# Altium PCB carrier_pcb.PcbDoc (part 3 of 3)
Units mm, origin at the board's own origin, x right, y up, seen from the top; angles counter-clockwise.
Board outline 87.63 x 93.34 mm, 6 copper layers (Top, GND-1, Layer 1, Layer 2, GND-2, Bottom), stack 1.536 mm thick; 197 components, 115 nets, 788 pads, 714 vias.
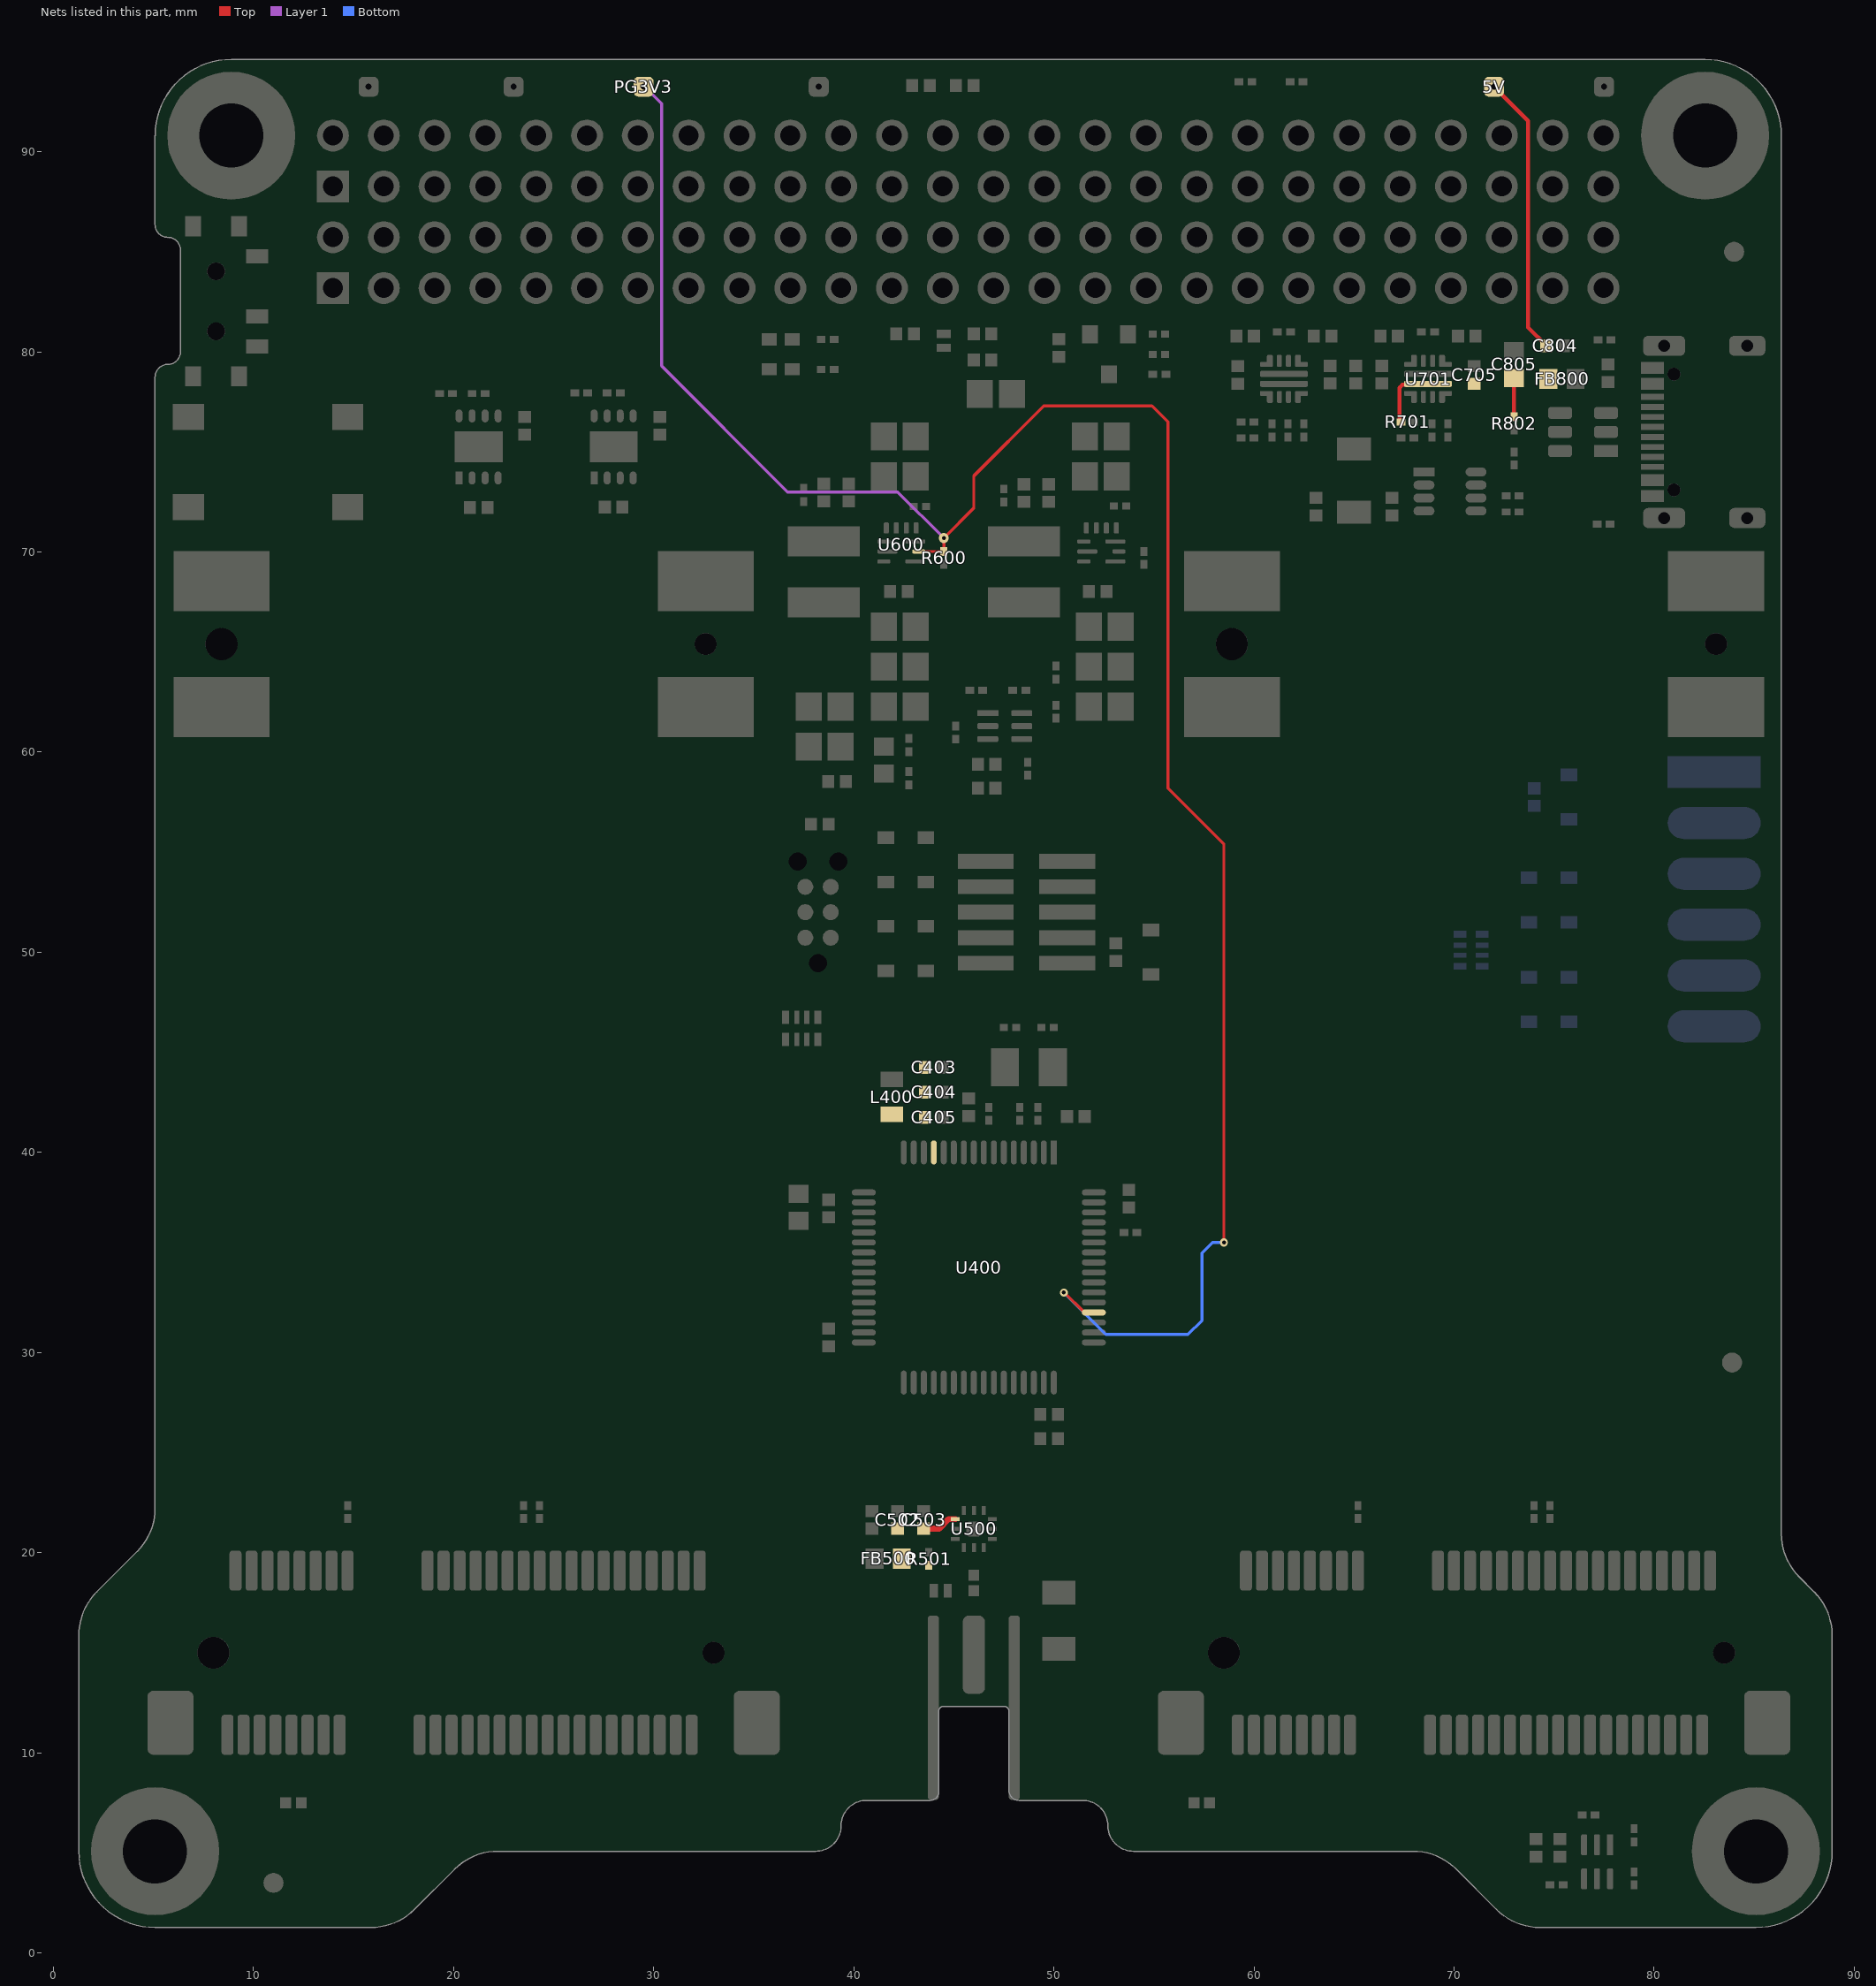
[diagram p7: the nets of this part, all layers, seen from the top]

## Via types
v1: diameter 0.4/0.5/0.5/0.4 (per signal layer), hole 0.2, Top to Bottom, 397 vias
v2: diameter 0.6/0.7/0.7/0.6 (per signal layer), hole 0.3, Top to Bottom, 317 vias

## Nets (pads, with @x,y where several pads share a name; then routed paths per layer and width w, separated by ;. In a path a pad name is that pad's centre, name@x,y a point inside that pad or via, vN(x,y) a via of type N, cw(c..) or ccw(c..) an arc to the next point about the centre after c; other vN are vias at no path point) (continued)
VCC_5V_USB: 5V.0 C705.2 C804.2 C805.2 FB800.2 R701.2 R802.2 U701.5 | length 19.2
  Top w0.2: R701.2@67.35,76.5 67.275,76.575 67.275,78.208 67.418,78.351 68.651,78.351 U701.5@68.7,78.4 ; 5V.0@72,93.25 73.7,91.55 73.7,81.22 74.6,80.32 C804.2@74.6,80.3 ; R802.2@73,76.75 C805.2@73,78.7
VCC_PGOOD: PG3V3.0 R600.1 U400.52 U600.5 | length 106
  Top w0.15: U600.5@43.25,70.025 R600.1@44.5,70.025 v1(44.5,70.7) 46,72.2 46,73.8 49.5,77.3 54.9,77.3 55.7,76.5 55.7,58.2 58.5,55.4 v1(58.5,35.5) ; v1(50.5,33) 50.525,33 51.525,32 U400.52@52,32
  Layer 1 w0.15: PG3V3.0@29.5,93.25 29.55,93.25 30.4,92.4 30.4,79.3 36.7,73 42.2,73 v1(44.5,70.7)
  Bottom w0.15: v1(50.5,33) 52.6,30.9 56.7,30.9 57.4,31.6 57.4,34.966 57.934,35.5 v1(58.5,35.5)
VCC_RFSW_3V3: C502.2 C503.2 FB500.2 R501.2 U500.1 | length 1.8
  Top w0.3: C503.2@43.5,21.2 44.27,21.2 44.75,21.68 U500.1@45.07,21.68
VDDA_3V3: C403.2 C404.2 C405.2 L400.2 U400.13
pads on no net: CN200.2 CN200.4 CN200.5 CN200.6 CN200.7 CN200.8 CN200.9 CN200.10 CN200.11 CN200.12 CN200.13 CN200.14 CN200.15 CN200.16 CN200.17 CN200.18 CN200.19 CN200.20 CN200.21 CN200.22 CN200.23 CN200.24 CN200.27 CN200.28 CN200.29 CN200.30 CN200.31 CN200.32 CN200.35 CN200.36 CN200.37 CN200.38 CN200.39 CN200.40 CN200.41 CN200.42 CN200.43 CN200.44 CN200.45 CN200.46 CN200.47 CN200.48 CN200.49 CN200.50 CN200.51 CN200.52 CN201.2 CN201.4 CN201.5 CN201.6 CN201.7 CN201.8 CN201.9 CN201.10 CN201.11 CN201.12 CN201.13 CN201.14 CN201.15 CN201.16 CN201.17 CN201.18 CN201.19 CN201.20 CN201.21 CN201.22 CN201.23 CN201.24 CN201.27 CN201.28 CN201.33 CN201.34 CN201.35 CN201.36 CN201.45 CN201.46 CN201.47 CN201.48 CN201.49 CN201.50 CN201.51 CN201.52 CN300. CN300.0 CN300.6 CN300.7 CN300.8 CN300.10 CN300.11 CN300.13 CN300.17 CN300.19 CN300.20 CN300.22 CN300.23 CN300.25 CN300.28 CN300.31 CN300.33 CN300.36 CN300.38 CN300.48 CN301. CN301.0 CN301.6 CN301.7 CN301.8 CN301.10 CN301.11 CN301.13 CN301.17 CN301.19 CN301.20 CN301.22 CN301.23 CN301.25 CN301.28 CN301.31 CN301.33 CN301.36 CN301.38 CN301.48 CN302. CN302.1 CN303. CN303.1 CN800.7 CN800.8 CN801. CN803. CN803.A8 CN803.B8 CN803.S FID100.0 FID101.0 FID102.0 MH100.1 MH101.1 MH102.1 MH103.1 S401.M S401.MH U400.6 U400.54 U500.2 U500.8 U702.8
copper on no net: | length 136.9
  Bottom w0.15: 65.6,65.05 65.85,65.05 ; 66.1,64.8 cw(c66.1,65.05) 65.85,65.05 ; 66.1,65.3 ccw(c66.1,65.05) 65.85,65.05 ; 68.1,63.8 66.85,65.05 ; 68.1,66.3 66.85,65.05 ; 69.6,62.3 70.85,61.05 72.1,62.3 ; 69.6,67.8 70.85,69.05 72.1,67.8 ; 70.225,67.925 70.35,68.05 70.496,68.05 cw(c70.496,67.196) 71.1,67.8 71.35,67.55 71.6,67.3 ; 70.6,61.3 ccw(c70.6,61.05) 70.35,61.05 ccw(c70.6,61.05) 70.6,60.8 ccw(c70.85,60.8) 70.85,60.55 ccw(c70.85,60.8) 71.1,60.8 ccw(c71.1,61.05) 71.35,61.05 ccw(c71.1,61.05) 71.1,61.3 ; 70.6,68.8 cw(c70.6,69.05) 70.35,69.05 cw(c70.6,69.05) 70.6,69.3 cw(c70.85,69.3) 70.85,69.55 cw(c70.85,69.3) 71.1,69.3 cw(c71.1,69.05) 71.35,69.05 cw(c71.1,69.05) 71.1,68.8 ; 74.1,62.3 75.35,61.05 76.6,62.3 ; 74.1,67.8 75.35,69.05 76.6,67.8 ; 75.1,61.3 ccw(c75.1,61.05) 74.85,61.05 ccw(c75.1,61.05) 75.1,60.8 ccw(c75.35,60.8) 75.35,60.55 ccw(c75.35,60.8) 75.6,60.8 ccw(c75.6,61.05) 75.85,61.05 ccw(c75.6,61.05) 75.6,61.3 ; 75.1,68.8 cw(c75.1,69.05) 74.85,69.05 cw(c75.1,69.05) 75.1,69.3 cw(c75.35,69.3) 75.35,69.55 cw(c75.35,69.3) 75.6,69.3 cw(c75.6,69.05) 75.85,69.05 cw(c75.6,69.05) 75.6,68.8 ; 75.704,62.05 cw(c75.704,62.904) 75.1,62.3 74.6,62.8 ; 78.1,63.8 79.35,65.05 ; 78.1,66.3 79.35,65.05 ; 80.1,64.8 ccw(c80.1,65.05) 80.35,65.05 ; 80.1,65.3 cw(c80.1,65.05) 80.35,65.05 ; 80.6,65.05 80.35,65.05 ; 66.85,65.05 66.85,64.05 cw(c67.225,64.05) 67.225,64.425 67.475,64.425 66.725,64.425 cw(c66.725,65.05) 66.1,65.05 cw(c66.725,65.05) 66.725,65.675 67.475,65.675 67.225,65.675 cw(c67.225,66.05) 66.85,66.05 66.85,65.05 ; 70.1,67.3 ccw(c70.704,67.904) 70.704,67.05 71.1,67.05 71.496,67.05 cw(c71.496,66.196) 72.1,66.8 ; 70.1,67.3 70.6,66.8 ; 70.1,67.3 69.85,67.55 70.6,67.55 70.996,67.55 cw(c70.996,66.696) 71.6,67.3 ; 70.6,66.8 ccw(c71.204,67.404) 71.204,66.55 71.6,66.55 71.996,66.55 cw(c71.996,65.696) 72.6,66.3 ; 70.6,66.8 71.1,66.3 ; 71.1,66.3 ccw(c71.704,66.904) 71.704,66.05 72.1,66.05 72.496,66.05 cw(c72.496,65.196) 73.1,65.8 ; 71.1,66.3 71.6,65.8 ; 71.6,65.8 ccw(c72.204,66.404) 72.204,65.55 72.6,65.55 72.996,65.55 cw(c72.996,64.696) 73.6,65.3 ; 71.6,65.8 72.1,65.3 ; 71.6,67.3 71.85,67.05 72.1,66.8 ; 72.1,65.3 ccw(c72.704,65.904) 72.704,65.05 73.1,65.05 73.496,65.05 cw(c73.496,64.196) 74.1,64.8 ; 72.1,65.3 72.6,64.8 ; 72.1,66.8 72.35,66.55 72.6,66.3 ; 72.6,64.8 ccw(c73.204,65.404) 73.204,64.55 73.6,64.55 73.996,64.55 cw(c73.996,63.696) 74.6,64.3 ; 72.6,64.8 73.1,64.3 ; 72.6,66.3 72.85,66.05 73.1,65.8 ; 73.1,64.3 ccw(c73.704,64.904) 73.704,64.05 74.1,64.05 74.496,64.05 cw(c74.496,63.196) 75.1,63.8 ; 73.1,64.3 73.35,64.05 73.6,63.8 ; 73.1,65.8 73.35,65.55 73.6,65.3 ; 73.6,63.8 ccw(c74.204,64.404) 74.204,63.55 74.6,63.55 74.996,63.55 cw(c74.996,62.696) 75.6,63.3 ; 73.6,63.8 74.1,63.3 ; 73.6,65.3 73.85,65.05 74.1,64.8 ; 74.1,63.3 ccw(c74.704,63.904) 74.704,63.05 75.1,63.05 75.496,63.05 cw(c75.496,62.196) 76.1,62.8 ; 74.1,63.3 74.6,62.8 ; 74.1,64.8 74.35,64.55 74.6,64.3 ; 74.6,62.8 ccw(c75.204,63.404) 75.204,62.55 75.6,62.55 76.35,62.55 76.1,62.8 ; 74.6,64.3 74.85,64.05 75.1,63.8 ; 75.1,63.8 75.35,63.55 75.6,63.3 ; 75.6,63.3 76.1,62.8 ; 79.35,65.05 79.35,64.05 ccw(c78.975,64.05) 78.975,64.425 78.725,64.425 79.475,64.425 ccw(c79.475,65.05) 80.1,65.05 ccw(c79.475,65.05) 79.475,65.675 78.725,65.675 78.975,65.675 ccw(c78.975,66.05) 79.35,66.05 79.35,65.05
  Bottom w0.3: 69.6,67.3 73.1,63.8 ; 70.225,67.925 75.975,62.175 ; 76.6,62.8 73.1,66.3 ; 73.1,63.8 70.85,61.55 67.35,65.05 70.85,68.55 73.1,66.3 ; 73.1,63.8 75.35,61.55 78.85,65.05 75.35,68.55 73.1,66.3

## Polygon pours and split planes (outlines as drawn)
GND on Bottom "GND_L06_P104" (solid, remove dead copper, pour order 104): 13.08,95 78.29,95.07 87,86.36 87,21 90,18 90,9.99 81.01,1 9.16,1 1,9.16 1,82.92
VCC_3V3 on Bottom "VCC_3V3_L06_P022" (solid, pour order 22): 85.325,58.2 85.015,57.89 73.68,57.89 73.68,58.49 74.365,59.175 74.99,59.8 85.325,59.8
GND on Bottom "GND_L06_P023" (solid, pour order 23): 73.68,57.61 85.14,57.61 85.325,57.425 85.325,55.825 85.16,55.66 75.03,55.66 73.68,57.01
GND on Top "GND_L01_P105" (solid, remove dead copper, pour order 105): 13.08,95 78.29,95.07 87,86.36 87,21 90,18 90,9.99 81.01,1 9.16,1 1,9.16 1,82.92
VBUS_5V_USB on Top "VBUS_5V_USB_L01_P062" (solid, pour order 62): 75.625,79.15 76.525,79.15 76.875,78.8 78.02,78.8 78.12,78.7 80.485,78.7 80.485,78.1 75.675,78.1 75.625,78.15
GND on Top "GND_L01_P067" (solid, pour order 67): 80.485,78.9 78.2,78.9 77.56,78.9 76.48,79.98 75.18,79.98 75.18,80.62 75.335,80.775 77.42,80.775 77.42,80.28 78.2,79.5 80.485,79.5
VBUS_5V_USB on Top "VBUS_5V_USB_L01_P068" (solid, pour order 68): 80.485,73.9 78.2,73.9 78.2,73.3 80.485,73.3
GND on Top "GND_L01_P069" (solid, pour order 69): 80.485,73.1 77.8,73.1 77.8,72.5 80.485,72.5
VBUS_5V_SAT on Top "VBUS_5V_SAT_L01_P075" (solid, pour order 75): 59.67,78.55 62.625,78.55 62.625,78.25 59.67,78.25 59.52,78.1 58.88,78.1 58.88,78.7 59.52,78.7 58.88,78.7 59.52,78.7
VCC_5V_MUX on Top "VCC_5V_MUX_L01_P074" (solid, remove dead copper, pour order 74): 67.35,78.75 66.72,78.12 63.48,78.12 62.85,78.75 60.375,78.75 60.375,79.05 63.15,79.05 63.48,78.72 66.72,78.72 67.05,79.05 69.825,79.05 69.825,78.75 69.825,79.05 69.825,78.75
VCC_5V_USB on Top "VCC_5V_USB_L01_P064" (solid, pour order 64): 72.5,78.25 72.35,78.1 70.68,78.1 70.53,78.25 67.575,78.25 67.575,78.55 70.53,78.55 70.68,78.7 72.05,78.7 72.5,79.15 73.5,79.15 73.5,78.25 73.5,79.15 73.5,78.25
VDDA_3V3 on Top "VDDA_3V3_L01_P013" (solid, pour order 13): 44.15,39.55 44.15,41.14 43.86,41.43 43.86,44.57 43.26,44.57 43.26,43.075 42.465,42.28 41.335,42.28 41.335,41.52 42.78,41.52 43.85,40.45 43.85,39.55
GND on Top "GND_L01_P003" (solid, pour order 3): 38.43,31.49 39.71,31.49 40.05,31.15 40.95,31.15 40.95,30.85 38.47,30.85 38.43,30.89
VCC_5V on Top "VCC_5V_L01_P102" (solid, pour order 102): 20.8,21.1 21.4,21.1 21.4,17.2 20.8,17.2
VCC_3V3 on Top "VCC_3V3_L01_P028" (solid, pour order 28): 41.5,21.22 41.5,19.2 41.8,18.9 41.8,18.2 40.3,18.2 40.3,18.9 40.6,19.2 40.58,19.22 40.58,21.5 41.22,21.5 40.58,21.5 41.22,21.5
VCC_3V3 on Top "VCC_3V3_L01_P002" (solid, pour order 2): 49.274,49.83 49.304,49.86 54.604,49.86 58,46.464 58,36 70,24 70,13 68.5,11.5 68.5,9.5 69,9 75,9 76.62,7.38 76.62,5.333 75.287,4 65,4 65,18 65.5,18.5 65.5,23.5 54.8,34.2 54.8,37.85 52,37.85 52,46.364 49.274,49.09
VCC_RFSW_3V3 on Top "VCC_RFSW_3V3_L01_P026" (solid, pour order 26): 43.82,20.6 43.5,20.6 43.3,20.4 43.3,19.775 43.485,19.59 43.925,19.59 43.925,19.15 42,19.15 41.88,19.27 41.88,21.5 43.82,21.5
VBUS_5V_SAT on Top "VBUS_5V_SAT_L01_P101" (solid, pour order 101): 46.95,78.6 46.75,78.8 43.9,78.8 43.6,78.5 43.6,77.4 43.9,77.1 46.85,77.1 46.95,77.2
VBUS_5V_SAT on Top "VBUS_5V_SAT_L01_P093" (solid, pour order 93): 59.5,78.1 59.1,77.7 57,77.7 56.8,77.9 56.8,79.2 57,79.4 58.2,79.4 58.9,78.7 59.5,78.7 59.5,78.3
VCC_5V on Top "VCC_5V_L01_P081" (solid, pour order 81): 65.85,70.4 62.5,70.4 62.5,72.12 63.695,72.12 64.15,72.575 65.85,72.575
VCC_5V_USB on Top "VCC_5V_USB_L01_P091" (solid, pour order 91): 72.5,79.15 75.175,79.15 75.175,78.15 72.35,78.15 71.925,78.575
VCC_5V on Top "VCC_5V_L01_P088" (solid, pour order 88): 71.3,19.95 71.9,19.95 71.9,16.4 71.3,16.4
VCC_5V on Top "VCC_5V_L01_P000" (solid, pour order 0): 77.3,8.1 78.7,8.1 78.7,13.7 77.3,13.7
VCC_5V on Top "VCC_5V_L01_P087" (solid, pour order 87): 26.8,9.9 28.2,9.9 28.2,13.5 28.1,13.6 26.9,13.6 26.8,13.5
VCC_5V on Top "VCC_5V_L01_P086" (solid, pour order 86): 59.9,18.25 59.9,17.2 58.9,17.2 58.4,17.7 58.4,20.5 58.9,21 59.9,21 59.9,17.2
VCC_5V on Top "VCC_5V_L01_P085" (solid, pour order 85): 9.4,18.25 9.4,17 8.6,17 7.9,17.7 7.9,20.5 8.65,21.25 9.4,21.25 9.4,17.2
VCC_5V on Top "VCC_5V_L01_P001" (solid, pour order 1): 32,19.95 32,21.25 32.75,21.25 33.5,20.5 33.5,17.7 32.8,17 32,17 32,21
VCC_5V on Top "VCC_5V_L01_P084" (solid, pour order 84): 82.5,19.95 82.5,21 83.5,21 84,20.5 84,17.7 83.5,17.2 82.5,17.2 82.5,21
VCC_3V3 on Top "VCC_3V3_L01_P083" (solid, pour order 83): 52.2,80.43 52.1,80.33 48.8,80.33 48.8,81.33 52.2,81.33
VBUS_5V_SAT on Top "VBUS_5V_SAT_L01_P082" (solid, pour order 82): 43.5,93.62 45.4,93.62 45.4,82.12 46.3,81.22 46.3,77.2 45.2,77.2 45.2,80.7 43.42,80.7 43.3,80.58 42.7,80.58 42.7,81.22 43.5,82.02 43.5,82.8
VCC_3V3 on Top "VCC_3V3_L01_P080" (solid, pour order 80): 66.58,72.12 67.22,72.12 67.375,72.275 68.893,72.275 69.1,72.068 69.1,71 68.9,70.8 67.3,70.8 66.58,71.52
GND on Top "GND_L01_P077" (solid, pour order 77): 70.625,73.125 69.975,72.475 67.295,72.475 67.22,72.4 66.58,72.4 66.58,73 67.22,73 67.295,72.925 68.925,72.925 69.575,73.575 71.4,73.575 71.4,73.125 71.4,73.575 71.4,73.125
VCC_5V_MUX on Top "VCC_5V_MUX_L01_P076" (solid, pour order 76): 63.48,78.12 64.15,77.45 64.15,74.575 65.85,74.575 65.85,77.45 66.72,78.32 66.72,78.72 63.48,78.72
GND on Top "GND_L01_P072" (solid, pour order 72): 78.05,76.3 78.05,75.7 77.1,75.7 76.8,75.4 76.8,75.3 76.8,74.7 76.1,74.7 76.1,75.7 76.7,76.3 77.379,76.3
VBUS_5V_USB on Top "VBUS_5V_USB_L01_P070" (solid, pour order 70): 74.85,76.3 75.75,76.3 76.1,76.65 76.1,77.15 75.625,77.625 75.625,78.65 77.23,78.65 77.74,78.14 76.8,77.2 76.8,76.6 75.9,75.7 75.75,75.7 74.85,75.7
VCC_5V_USB on Top "VCC_5V_USB_L01_P063" (solid, pour order 63): 74.9,80.62 74.9,79.425 75.175,79.15 75.175,78.15 74.275,78.15 74.3,78.175 74.3,80.62
VCC_3V3 on Top "VCC_3V3_L01_P061" (solid, pour order 61): 28.14,73.88 28.5,73.88 28.5,73.28 28.75,73.03 28.74,73.02 28.74,71 28.14,71
VCC_3V3 on Top "VCC_3V3_L01_P060" (solid, pour order 60): 21.39,73.85 21.75,73.85 21.75,73.25 22,73 21.99,72.99 21.99,71 21.39,71
GND on Top "GND_L01_P056" (solid, pour order 56): 20.51,71 21.11,71 21.11,73.69 21.1,73.7 21.1,73.85 21.725,74.475 23.675,74.475 24.7,75.5 24.7,76.2 20.225,76.2 20.05,76.025 20.05,74.475 20.325,74.475 20.75,74.05 20.75,73.25 20.51,73.01
GND on Top "GND_L01_P059" (solid, pour order 59): 27.26,71 27.86,71 27.86,73.69 27.85,73.7 27.85,73.85 28.475,74.475 30.425,74.475 31.45,75.5 31.45,76.2 26.975,76.2 26.8,76.025 26.8,74.475 27.075,74.475 27.5,74.05 27.5,73.25 27.26,73.01
VCC_3V3 on Top "VCC_3V3_L01_P055" (solid, pour order 55): 24.7,76.45 24.75,76.5 24.75,77 23.85,77.9 22.65,77.9 22.05,77.3 22.05,76.578 22.178,76.45 23.23,76.45
VCC_3V3 on Top "VCC_3V3_L01_P054" (solid, pour order 54): 31.45,76.45 31.5,76.5 31.5,77 30.6,77.9 29.4,77.9 28.8,77.3 28.8,76.578 28.928,76.45 29.98,76.45
GND on Top "GND_L01_P025" (solid, pour order 25): 49.65,28.95 49.65,24.5 49.02,24.5 49.02,27.22 49.35,27.55 49.35,28.95
VCC_3V3_USB on Top "VCC_3V3_USB_L01_P053" (solid, pour order 53): 49.85,24.5 51.1,24.5 51.1,25.42 50.5,26.02 49.9,26.02 49.85,25.97
VCC_3V3_USB on Top "VCC_3V3_USB_L01_P031" (solid, pour order 31): 51.775,69.625 52.05,69.35 52.05,67.705 52.4,67.355 52.4,60 51.1,60 51.1,64.975 49.35,66.725 46.7,66.725 46.7,68.225 49.825,68.225 51.225,69.625
VCC_3V3 on Top "VCC_3V3_L01_P051" (solid, pour order 51): 38.16,56.72 37.88,57 36.8,57 36.7,56.9 36.7,55.9 36.8,55.8 37.88,55.8 38.16,56.08
VCC_3V3 on Top "VCC_3V3_L01_P050" (solid, pour order 50): 75.92,5.38 73.78,5.38 73.78,7.075 76.62,7.075 76.65,7.045 76.65,4.95 76.35,4.95 76.65,4.95 76.35,4.95
VCC_3V3 on Top "VCC_3V3_L01_P049" (solid, pour order 49): 47.15,60.8 47.08,60.87 44.925,60.87 44.925,57.88 46.5,57.88 46.5,59.85 47.15,60.5
VCC_3V3 on Top "VCC_3V3_L01_P048" (solid, pour order 48): 38.7,62.975 40,62.975 40,59.575 40.2,59.375 42,59.375 42,59.17 42.575,58.595 42.925,58.595 42.925,57.2 39.3,57.2 39.3,58.975 38.7,59.575
DC3V3.VO_6 on Top "DC3V3.VO_6_L01_P047" (solid, pour order 47): 40.3,68.7 41.225,69.625 41.775,69.625 41.775,64.05 39.1,66.725 36.7,66.725 36.7,68.225 39.825,68.225 36.7,68.225 39.825,68.225
DC3V3.VO_6 on Top "DC3V3.VO_6_L01_P046" (solid, pour order 46): 42.11,69.29 42.11,68.345 42.15,68.305 42.15,59.975 42,59.825 41,59.825 40.85,59.975 40.85,69.25 41.225,69.625 41.775,69.625 41.225,69.625 41.775,69.625
DC3V3.SW_6 on Top "DC3V3.SW_6_L01_P042" (solid, pour order 42): 40.3,71.05 40.3,71.275 36.7,71.275 36.7,69.775 41.075,69.775 41.225,69.925 42.125,69.925 42.125,70.125 41.225,70.125
GND on Top "GND_L01_P041" (solid, pour order 41): 43.75,69.4 43.75,61.575 42.45,61.575 42.45,67.645 42.39,67.705 42.39,69.39 42.625,69.625 43.525,69.625 42.625,69.625 43.525,69.625
GND on Top "GND_L01_P039" (solid, pour order 39): 53.25,70.975 53.25,72.475 52.75,72.475 52.2,73.025 52.2,76.475 50.85,76.475 50.85,73.075 51.35,73.075 53,71.425 53,70.975
VCC_5V on Top "VCC_5V_L01_P037" (solid, pour order 37): 52.5,76.475 54.8,76.475 54.8,71.6 53.625,70.425 52.625,70.425 52.625,70.625 53.157,70.625 53.42,70.916 53.42,72.45 52.795,73.075 52.5,73.075
GND on Top "GND_L01_P034" (solid, pour order 34): 43.25,70.975 43.25,72.45 42.775,72.45 42.15,73.075 42.15,76.475 40.85,76.475 40.85,73.075 41.35,73.075 43,71.425 43,70.975
VCC_5V on Top "VCC_5V_L01_P033" (solid, pour order 33): 42.45,76.475 44.7,76.475 44.7,71.5 43.625,70.425 42.625,70.425 42.625,70.625 43.157,70.625 43.42,70.916 43.42,72.45 42.795,73.075 42.45,73.075
GND on Top "GND_L01_P032" (solid, pour order 32): 54,69.15 54,61.575 52.7,61.575 52.7,67.335 52.33,67.705 52.33,69.33 52.625,69.625 53.525,69.625 52.625,69.625 53.525,69.625
USB3V3.SW_6 on Top "USB3V3.SW_6_L01_P029" (solid, pour order 29): 52.125,70.125 51.225,70.125 50.3,71.05 50.3,71.275 46.7,71.275 46.7,69.775 51.075,69.775 51.225,69.925 52.125,69.925
VCC_3V3_USB on Top "VCC_3V3_USB_L01_P021" (solid, pour order 21): 50.5,28.6 50.5,24.5 49.85,24.5 49.85,28.95 50.15,28.95 49.85,28.95 50.15,28.95
VCC_3V3 on Top "VCC_3V3_L01_P019" (solid, pour order 19): 49.85,39.4 49.85,41.61 50.36,42.12 50.96,42.12 50.96,40.21 50.15,39.4
VCC_3V3 on Top "VCC_3V3_L01_P016" (solid, pour order 16): 41.1,43.27 41.1,45.1 42.7,45.1 42.7,43.27
GND on Top "GND_L01_P015" (solid, pour order 15): 44.35,39.55 44.35,41.22 44.14,41.43 44.14,44.57 45.33,44.57 46.07,43.83 46.07,42.39 45.43,42.39 44.74,41.7 44.74,41.43 44.65,41.34 44.65,39.55
GND on Top "GND_L01_P012" (solid, pour order 12): 51.55,37.65 54.8,37.65 54.8,36.95 53.43,36.95 53.03,37.35 51.55,37.35
VCC_3V3 on Top "VCC_3V3_L01_P011" (solid, pour order 11): 51.55,38.15 51.83,38.43 54.8,38.43 54.8,37.83 52.47,37.83 52.45,37.85 51.55,37.85
GND on Top "GND_L01_P010" (solid, pour order 10): 40.95,37.35 39.09,37.35 39.07,37.33 35.9,37.33 35.9,38.6 39,38.6 39.95,37.65 40.95,37.65
VCC_3V3 on Top "VCC_3V3_L01_P008" (solid, pour order 8): 40.95,36.85 39.95,36.85 38.9,35.8 35.9,35.8 35.9,37.15 39.988,37.15 40.95,37.15
GND on Top "GND_L01_P007" (solid, pour order 7): 49.274,50.36 52.559,50.36 52.779,50.14 54.604,50.14 55.264,50.8 55.264,52.37 49.274,52.37
VCC_3V3 on Top "VCC_3V3_L01_P006" (solid, pour order 6): 49.274,49.83 49.304,49.86 54.604,49.86 55.264,49.2 55.264,48.3 50.064,48.3 49.274,49.09
VCC_3V3 on Top "VCC_3V3_L01_P005" (solid, pour order 5): 38.43,30.61 38.47,30.65 40.95,30.65 40.95,30.35 40.05,30.35 39.71,30.01 38.43,30.01
VCC_3V3 on Layer 2 "VCC_3V3_L04_P098" (solid, pour order 98): 76.8,58.3 77.1,58 90.5,58 90.5,62.2 76.1,76.6 71.7,72.2 66.8,72.2 76.8,62.2
VCC_3V3 on Layer 2 "VCC_3V3_L04_P097" (solid, pour order 97): 86.36,81.9 86.36,66.26 82.2,62.1 76.9,62.1 64.6,74.4 61.2,74.4 61,74.6 61,75.1 59,77.1 59,79.381 56.481,81.9
VCC_3V3 on Layer 2 "VCC_3V3_L04_P095" (solid, pour order 95): 50.1,64 50.1,58.9 54.6,54.4 54.6,31.2 41.6,18.2 40.6,18.2 40.1,18.7 40.1,24.3 5.085,24.3 5.085,81.9 67.6,81.9 67.6,79.8 44.1,79.8 42.7,78.4 42.7,71.4
VCC_5V on Layer 2 "VCC_5V_L04_P100" (solid, pour order 100): 1.27,8.89 1.27,23.5 23.5,23.5 23.75,23.25 24.75,23.25 25,23.5 39.7,23.5 39.7,17.8 41.68,17.8 47.38,23.5 53.69,23.5 59.5,29.31 59.5,55.8 43.7,71.6 43.7,73.1 64.5,73.1 76.1,61.5 76.1,57.9 76.8,57.2 88.9,57.2 88.9,8.89 81.28,1.27 8.89,1.27
VCC_3V3 on Layer 2 "VCC_3V3_L04_P099" (solid, pour order 99): 24,23.5 24.5,23.5 25.5,24.5 23,24.5
VCC_3V3_USB on Layer 2 "VCC_3V3_USB_L04_P094" (solid, pour order 94): 50.8,61.3 51,61.5 52.5,61.5 58.5,55.5 58.5,29.8 53,24.3 49.9,24.3 49.9,25.2 55.6,30.9 55.6,54.7 50.8,59.5
VBUS_5V_SAT on Layer 2 "VBUS_5V_SAT_L04_P092" (solid, pour order 92): 43.9,78.9 55.9,78.9 56.375,79.375 58.325,79.375 58.5,79.2 58.5,77.5 58,77 43.9,77 43.5,77.4 43.5,78.5
VCC_5V on Layer 2 "VCC_5V_L04_P089" (solid, pour order 89): 65.9,71.3 65.9,69.5 45.8,69.5 43.5,71.8 43.5,76.5 58.1,76.5 61.5,73.1 64.1,73.1
VBUS_5V_USB on Layer 2 "VBUS_5V_USB_L04_P065" (solid, pour order 65): 78.2,78.7 79.4,78.7 79.4,73.3 78.2,73.3
no net on Board Shape "NONET_L-01_P-001" (solid, remove dead copper): 82.55,94.615 cw(c82.55,90.805) 86.36,90.805 86.36,20.732 ccw(c88.9,20.732) 87.104,18.936 88.156,17.884 cw(c86.36,16.088) 88.9,16.088 88.9,5.08 cw(c85.09,5.08) 85.09,1.27 74.074,1.27 cw(c74.074,3.81) 72.278,2.014 69.955,4.336 ccw(c68.159,2.54) 68.159,5.08 53.975,5.08 cw(c53.975,6.35) 52.705,6.35 ccw(c51.435,6.35) 51.435,7.62 48.26,7.62 cw(c48.26,8.13) 47.75,8.13 47.75,12.1 ccw(c47.55,12.1) 47.55,12.3 44.45,12.3 ccw(c44.45,12.1) 44.25,12.1 44.25,8.055 cw(c43.815,8.055) 43.815,7.62 40.64,7.62 ccw(c40.64,6.35) 39.37,6.35 cw(c38.1,6.35) 38.1,5.08 22.002,5.08 ccw(c22.002,2.54) 20.206,4.336 17.884,2.014 cw(c16.088,3.81) 16.088,1.27 5.08,1.27 cw(c5.08,5.08) 1.27,5.08 1.27,16.093 cw(c3.81,16.093) 2.014,17.889 4.341,20.216 ccw(c2.545,22.012) 5.085,22.012 5.085,78.735 cw(c5.724,78.737) 5.715,79.375 ccw(c5.715,80.01) 6.35,80.01 6.35,85.09 ccw(c5.715,85.09) 5.715,85.725 cw(c5.715,86.36) 5.08,86.36 5.08,90.805 5.085,90.805 5.085,90.81 cw(c8.89,90.81) 8.89,94.615
GND on GND-2 (split plane): 349 vertices, not listed, extent 1.771,1.771 88.399,94.114
GND on GND-1 (split plane): 349 vertices, not listed, extent 1.771,1.771 88.399,94.114

## Keep-outs
Top:
  rectangle: 44.5,12.3 47.5,18.3
  region: 44.504,18.3 cw(c45.9,18.2) 45.9,19.6 46.1,19.6 cw(c46.1,18.2) 47.496,18.3
Keep-Out Layer:
  text "'.Layer_Name'" at 159.42,-46.109 h2.5

## Other copper
Top:
  pour cut-out: 44,45.1 44,44.695 42.7,44.7 42.7,45.1
  pour cut-out: 41.599,53.5 42.742,54.54 48.119,54.54 48.119,49.46 44.834,49.46 44.094,50.2 42.802,50.2 41.6,51.3
  pour cut-out: 47.755,22.253 47.863,22.23 47.973,22.219 48.549,22.08 48.653,22.04 48.759,22.012 49.307,21.785 49.403,21.73 49.504,21.685 50.009,21.375 50.095,21.305 50.188,21.245 50.639,20.86 50.676,20.819 50.722,20.783 50.756,20.739 50.795,20.704 50.796,20.702 50.803,20.693 50.814,20.682 51.128,20.3 51.2,20.183 51.281,20.07 51.333,19.973 51.439,19.959 51.778,19.818 52.07,19.595 52.293,19.303 52.434,18.964 52.482,18.6 52.482,17.4 52.434,17.036 52.293,16.697 52.07,16.405 51.778,16.182 51.439,16.041 51.075,15.993 49.425,15.993 49.061,16.041 48.722,16.182 48.43,16.405 48.207,16.697 48.066,17.036 48.018,17.4 48.018,18.6 48.042,18.785 47.936,18.85 47.654,18.967 47.357,19.038 47.053,19.062 47.048,19.062 47.017,19.063 46.986,19.058 46.88,19.069 46.838,19.066 46.79,19.075 46.681,19.081 46.651,19.091 46.621,19.094 46.602,19.1 46.576,19.106 46.488,19.135 46.478,19.137 46.398,19.153 46.315,19.194 46.228,19.224 46.151,19.275 46.069,19.316 46.001,19.361 45.956,19.4 45.904,19.44 45.855,19.473 45.842,19.488 45.715,19.585 45.492,19.877 45.351,20.216 45.303,20.58 45.303,20.78 45.351,21.144 45.492,21.483 45.715,21.775 45.85,21.878 45.855,21.884 45.873,21.896 45.984,21.981 46.001,21.996 46.069,22.041 46.151,22.082 46.228,22.133 46.315,22.163 46.398,22.204 46.488,22.222 46.491,22.223 46.514,22.233 46.53,22.236 46.576,22.251 46.648,22.266 46.725,22.271 46.812,22.289 46.943,22.3 47.053,22.294 47.164,22.3
  pour cut-out: 38.75,45.75 44,45.75 44,45.1 41.1,45.1 41.1,41.446 40.904,41.25 40.5,41.25 38.75,43
  pour cut-out: 183 vertices and 0 holes, not listed, extent 10.708,5.823 47.624,26.124
  pour cut-out: 153 vertices and 0 holes, not listed, extent 45.303,5.823 58.692,23.3
  pour cut-out: 60.241,13.307 60.334,13.307 60.423,13.283 60.514,13.271 60.599,13.236 60.688,13.212 60.803,13.165 60.987,13.059 61.121,12.981 61.381,12.721 61.459,12.587 61.565,12.403 61.612,12.288 61.636,12.199 61.671,12.114 61.683,12.023 61.707,11.934 61.707,11.841 61.719,11.75 61.719,10.05 61.707,9.959 61.707,9.866 61.683,9.777 61.671,9.686 61.636,9.601 61.612,9.512 61.61,9.506 61.57,9.099 61.539,8.964 61.516,8.828 61.378,8.373 61.321,8.247 61.273,8.118 61.048,7.699 60.968,7.587 60.895,7.469 60.593,7.102 60.493,7.007 60.398,6.907 60.031,6.605 59.913,6.532 59.801,6.452 59.382,6.227 59.253,6.179 59.127,6.122 58.772,6.014 58.768,6.012 58.429,5.871 58.065,5.823 57.515,5.823 57.151,5.871 56.812,6.012 56.52,6.235 56.297,6.527 56.156,6.866 56.108,7.23 56.108,7.77 56.156,8.134 56.297,8.473 56.52,8.765 56.812,8.988 57.151,9.129 57.515,9.177 58.035,9.177 58.117,9.221 58.206,9.294 58.279,9.383 58.334,9.485 58.366,9.592 58.364,9.601 58.329,9.686 58.317,9.777 58.293,9.866 58.293,9.959 58.281,10.05 58.281,11.75 58.293,11.841 58.293,11.934 58.317,12.023 58.329,12.114 58.364,12.199 58.388,12.288 58.435,12.403 58.541,12.587 58.619,12.721 58.879,12.981 59.013,13.059 59.197,13.165 59.312,13.212 59.401,13.236 59.486,13.271 59.577,13.283 59.666,13.307 59.759,13.307 59.85,13.319 60.15,13.319
  pour cut-out: 9.741,13.307 9.834,13.307 9.923,13.283 10.014,13.271 10.099,13.236 10.188,13.212 10.303,13.165 10.487,13.059 10.621,12.981 10.881,12.721 10.959,12.587 11.065,12.403 11.112,12.288 11.136,12.199 11.171,12.114 11.183,12.023 11.207,11.934 11.207,11.841 11.219,11.75 11.219,10.05 11.207,9.959 11.207,9.866 11.183,9.777 11.171,9.686 11.136,9.601 11.126,9.565 11.131,9.515 11.159,9.423 11.204,9.339 11.265,9.265 11.339,9.204 11.39,9.177 11.885,9.177 12.249,9.129 12.588,8.988 12.88,8.765 13.103,8.473 13.244,8.134 13.292,7.77 13.292,7.23 13.244,6.866 13.103,6.527 12.88,6.235 12.588,6.012 12.249,5.871 11.885,5.823 11.335,5.823 10.971,5.871 10.632,6.012 10.618,6.022 10.312,6.115 10.186,6.172 10.057,6.22 9.655,6.435 9.542,6.516 9.425,6.588 9.073,6.878 8.978,6.978 8.878,7.073 8.588,7.425 8.516,7.542 8.435,7.655 8.22,8.057 8.172,8.186 8.115,8.311 7.982,8.748 7.96,8.884 7.929,9.018 7.884,9.472 7.886,9.52 7.864,9.601 7.829,9.686 7.817,9.777 7.793,9.866 7.793,9.959 7.781,10.05 7.781,11.75 7.793,11.841 7.793,11.934 7.817,12.023 7.829,12.114 7.864,12.199 7.888,12.288 7.935,12.403 8.041,12.587 8.119,12.721 8.379,12.981 8.513,13.059 8.697,13.165 8.812,13.212 8.901,13.236 8.986,13.271 9.077,13.283 9.166,13.307 9.259,13.307 9.35,13.319 9.65,13.319
  text "'.Layer_Name'" at 159.42,-46.081 h2.5
Layer 1:
  text "'.Layer_Name'" at 159.42,-46.088 h2.5
Layer 2:
  text "'.Layer_Name'" at 159.42,-46.088 h2.5
Bottom:
  text "'.Layer_Name'" at 159.42,-46.081 h2.5
GND-1 (plane layer: these items are gaps in the copper):
  text "'.Layer_Name'" at 159.42,-46.109 h2.5
GND-2 (plane layer: these items are gaps in the copper):
  text "'.Layer_Name'" at 159.42,-46.109 h2.5

## Silkscreen, mask and mechanical layers (free items; w line width, h text height)
Top Overlay:
  drawing of 21 lines, arcs and shapes, not listed
  text ".ModifiedDate" at 57.069,93.722 h2 r180
  text "v.ProjectVersion" at 67.854,93.722 h2 r180
  text "3V3" at 31.917,80.2 h0.8
  text "←BOOT" at 11.452,79.958 h2
  text "5VIN" at 31.251,78.7 h0.8
  text "↓RESET" at 11.452,78.208 h2
  text "dpmj" at 32.971,72.336 h2
  text "CAN B" at 19.092,71.75 h2 r90
  text "CAN A" at 25.842,71.75 h2 r90
  text "TEMP 2" at 44.7,63.876 h1.6
  text "module_1" at 56,55.5 h5
  text "module_0" at 5.5,55.471 h5
  text "no signal" at 43,35.15 h2
  text "ANTENNA" at 42.3,8.2 h1.9 r90
  text "RF IO" at 50.737,8.2 h1.9 r90
  text "TEMP 1" at 79.691,7.3 h1.6 r270
  text "Estigia / LoRa PL" at 64.155,5.369 h2.5
  text "'.Layer_Name'" at 167.72,-46.109 h2.5
Board Layer Stack Bottom Overlay:
  drawing of 5 lines, arcs and shapes, not listed
  text ".ModifiedDate" at 48.931,93.722 h2 r180
  text "v.ProjectVersion" at 64.646,93.722 h2 r180
  text ".ModifiedDate" at 12.25,64.319 h2.5 r270
  text "Estigia / LoRa PL" at 17,57.5 h6 r270
  text "v.ProjectVersion" at 12.25,57.477 h2.5 r270
  text "NOTES" at 82,38.029 h1.5
  text "Juan Del Pino Mena" at 35.097,6.621 h3
  text "'.Layer_Name'" at 173.92,-45.109 h2.5
Top Paste:
  text "'.Layer_Name'" at 159.42,-46.081 h2.5
  text "'.Layer_Name'" at 159.5,-46.101 h2.5
  text "'.Layer_Name'" at 159.5,-46.101 h2.5
  text "'.Layer_Name'" at 159.62,-46.53 h2.5
Bottom Paste:
  text "'.Layer_Name'" at 159.42,-46.081 h2.5
  text "'.Layer_Name'" at 159.5,-46.101 h2.5
  text "'.Layer_Name'" at 159.5,-46.101 h2.5
  text "'.Layer_Name'" at 159.62,-46.53 h2.5
Top Solder:
  text "'.Layer_Name'" at 183.42,-46.109 h2.5
Board Layer Stack Bottom Solder:
  text "'.Layer_Name'" at 174.92,-47.109 h2.5
Drill Guide:
  text "'.Layer_Name'" at 159.5,-46.129 h2.5
  text "'.Layer_Name'" at 159.5,-46.129 h2.5
  text "'.Layer_Name'" at 159.62,-46.53 h2.5
  text "'.Layer_Name'" at 174.42,-47.109 h2.5
Dimension:
  text "'.Layer_Name'" at 188.42,-47.081 h2.5
Board Shape:
  lines w0.2: 1.27,5.08 ccw(c5.08,5.08) 5.08,1.27 15.875,1.27 ccw(c15.875,4.324) 18.034,2.164 20.052,4.182 cw(c22.22,2.014) 22.22,5.08 22.225,5.08 38.1,5.08 ccw(c38.1,6.35) 39.37,6.35 cw(c40.64,6.35) 40.64,7.62 43.815,7.62 ccw(c43.815,8.052) 44.247,8.052 44.247,12.082 cw(c44.484,12.082) 44.484,12.319 47.517,12.319 cw(c47.517,12.084) 47.752,12.084 47.752,8.128 ccw(c48.26,8.128) 48.26,7.62 51.435,7.62 cw(c51.435,6.35) 52.705,6.35 ccw(c53.975,6.35) 53.975,5.08 67.945,5.08 cw(c67.945,2.022) 70.107,4.184 72.123,2.168 ccw(c74.291,4.336) 74.291,1.27 74.295,1.27 85.09,1.27 ccw(c85.09,5.08) 88.9,5.08 88.9,15.875 ccw(c85.846,15.875) 88.006,18.034 87.258,18.782 cw(c89.426,20.95) 86.36,20.95 86.36,20.955 86.36,90.805 ccw(c82.55,90.805) 82.55,94.615 8.89,94.615 ccw(c8.89,90.81) 5.085,90.81 5.085,90.805 ccw(c5.085,90.8) 5.08,90.8 5.08,86.36 ccw(c5.715,86.36) 5.715,85.725 cw(c5.715,85.09) 6.35,85.09 6.35,80.01 cw(c5.715,80.01) 5.715,79.375 ccw(c5.715,78.74) 5.08,78.74 5.08,22.225 cw(c2.014,22.225) 4.182,20.057 2.168,18.043 ccw(c4.336,15.875) 1.27,15.875 1.27,5.08
  text "'.Layer_Name'" at 159.42,-45.109 h2.5
Component Guard:
  text "'.Layer_Name'" at 176.42,-45.109 h2.5
  text "'.Layer_Name'" at 159.5,-46.129 h2.5
  text "'.Layer_Name'" at 159.5,-46.129 h2.5
  text "'.Layer_Name'" at 159.62,-46.53 h2.5
Sheet:
  drawing of 136 lines, arcs and shapes, not listed
  text "1" at -9.334,126.631 h1.78
  text "2" at 63.31,126.631 h1.78
  text "3" at 136.462,126.631 h1.78
  text "4" at 209.36,126.631 h1.78
  text "A" at -43.675,103.619 h1.78
  text "A" at 243.345,103.619 h1.78
  text "Layer" at 152.656,64.5 h2
  text "Name" at 161.112,64.5 h2
  text "Material" at 195.029,64.5 h2
  text "Thickness" at 206.406,64.5 h2
  text "Constant" at 218.664,64.5 h2
  text "Gerber" at 229.98,64.5 h2
  text "Top Overlay" at 161.112,60.5 h2
  text "GTO" at 229.98,60.5 h2
  text "B" at -43.5,57 h1.78
  text "Top Solder" at 161.112,56.5 h2
  text "SM-001" at 195.029,56.5 h2
  text "0,025mm" at 206.406,56.5 h2
  text "4" at 218.664,56.5 h2
  text "GTS" at 229.98,56.5 h2
  text "B" at 243.345,55.562 h1.78
  text "1" at 152.656,52.5 h2
  text "Top" at 161.112,52.5 h2
  text "CF-003" at 195.029,52.5 h2
  text "0,018mm" at 206.406,52.5 h2
  text "GTL" at 229.98,52.5 h2
  text "PP-top" at 161.112,48.5 h2
  text "PP-008" at 195.029,48.5 h2
  text "0,220mm" at 206.406,48.5 h2
  text "4.1" at 218.664,48.5 h2
  text "2" at 152.656,44.5 h2
  text "GND-1" at 161.112,44.5 h2
  text "CF-004" at 195.029,44.5 h2
  text "0,035mm" at 206.406,44.5 h2
  text "GP1" at 229.98,44.5 h2
  text "Core 1" at 161.112,40.5 h2
  text "Core-009" at 195.029,40.5 h2
  text "0,350mm" at 206.406,40.5 h2
  text "4.5" at 218.664,40.5 h2
  text "3" at 152.656,36.5 h2
  text "Layer 1" at 161.112,36.5 h2
  text "CF-004" at 195.029,36.5 h2
  text "0,035mm" at 206.406,36.5 h2
  text "G1" at 229.98,36.5 h2
  text "PP-mid" at 161.112,32.5 h2
  text "PP-008" at 195.029,32.5 h2
  text "0,220mm" at 206.406,32.5 h2
  text "4.1" at 218.664,32.5 h2
  text "4" at 152.656,28.5 h2
  text "Layer 2" at 161.112,28.5 h2
  text "CF-004" at 195.029,28.5 h2
  text "0,035mm" at 206.406,28.5 h2
  text "G2" at 229.98,28.5 h2
  text "Core 2" at 161.112,24.5 h2
  text "Core-009" at 195.029,24.5 h2
  text "0,350mm" at 206.406,24.5 h2
  text "4.5" at 218.664,24.5 h2
  text "5" at 152.656,20.5 h2
  text "GND-2" at 161.112,20.5 h2
  text "CF-004" at 195.029,20.5 h2
  text "0,035mm" at 206.406,20.5 h2
  text "GP2" at 229.98,20.5 h2
  text "PP-bottom" at 161.112,16.5 h2
  text "PP-008" at 195.029,16.5 h2
  text "0,220mm" at 206.406,16.5 h2
  text "4.1" at 218.664,16.5 h2
  text "6" at 152.656,12.5 h2
  text "Bottom" at 161.112,12.5 h2
  text "CF-003" at 195.029,12.5 h2
  text "0,018mm" at 206.406,12.5 h2
  text "GBL" at 229.98,12.5 h2
  text "Board Layer Stack Bottom Solder" at 161.112,8.5 h2
  text "SM-001" at 195.029,8.5 h2
  text "0,025mm" at 206.406,8.5 h2
  text "4" at 218.664,8.5 h2
  text "GBS" at 229.98,8.5 h2
  text "C" at -43.675,7.048 h1.78
  text "C" at 243.345,7.048 h1.78
  text "Board Layer Stack Bottom Overlay" at 161.112,4.5 h2
  text "GBO" at 229.98,4.5 h2
  text "Total board thickness:" at 152.656,0.5 h2
  text "1,586mm" at 206.406,0.5 h2
  text "Pluton UPV" at 152.5,-36.287 h2.5
  text "D" at -43.675,-40.958 h1.78
  text "D" at 243.345,-40.958 h1.78
  text "Project:" at 152.45,-41.241 h2.5
  text ".ProjectTitle" at 160.55,-41.355 h2.5
  text "Layer:" at 152.5,-46.066 h2.5
  text "Engineer:" at 152.5,-51.066 h2.5
  text ".Author" at 162.995,-51.287 h2.5
  text "Revision:" at 174.575,-56.225 h2.5
  text "Date:" at 152.5,-56.288 h2.5
  text ".ProjectVersion" at 184.475,-56.3 h2.5
  text "Size:" at 210.625,-56.4 h2.5
  text "A4" at 216.625,-56.425 h2.5
  text "'.Print_Date'" at 158.418,-56.48 h2.5
  text "1" at -9.334,-61.329 h1.78
  text "2" at 63.31,-61.329 h1.78
  text "3" at 136.462,-61.329 h1.78
  text "4" at 209.36,-61.329 h1.78
Drill Drawing:
  circle w0.15: c110.809,114.527 r0.494
  circle w0.15: c110.809,114.527 r0.823
  circle w0.15: c110.809,96.011 r0.823
  lines w0.15: 109.986,80.374 111.632,80.374 111.632,82.02 109.986,82.02 109.986,80.374 ; 109.986,84.078 109.986,84.489 110.398,84.901 109.986,85.312 109.986,85.724 110.398,85.724 110.809,85.312 111.221,85.724 111.632,85.724 111.632,85.312 111.221,84.901 111.632,84.489 111.632,84.078 111.221,84.078 110.809,84.489 110.398,84.078 109.986,84.078 ; 109.986,88.604 110.809,87.781 111.632,88.604 110.809,89.427 109.986,88.604 ; 109.986,93.13 111.632,93.13 110.809,91.484 109.986,93.13 ; 109.986,99.303 110.398,99.303 110.809,98.891 111.221,99.303 111.632,99.303 111.221,99.714 111.632,100.126 111.221,100.126 110.809,100.537 110.398,100.126 109.986,100.126 110.398,99.714 109.986,99.303 ; 109.986,103.006 110.398,103.006 110.809,102.594 111.221,103.006 111.632,103.006 111.221,103.417 111.632,103.829 111.221,103.829 110.809,104.24 110.398,103.829 109.986,103.829 110.398,103.417 109.986,103.006 ; 109.986,107.944 111.632,107.944 110.809,106.298 109.986,107.944 ; 109.986,110.001 111.632,110.001 111.632,111.647 109.986,111.647 109.986,110.001 ; 110.315,80.704 111.303,80.704 111.303,81.691 110.315,81.691 110.315,80.704 ; 110.315,103.17 110.562,103.17 110.809,102.924 111.056,103.17 111.303,103.17 111.056,103.417 111.303,103.664 111.056,103.664 110.809,103.911 110.562,103.664 110.315,103.664 110.562,103.417 110.315,103.17 ; 110.315,107.614 111.303,107.614 110.809,106.627 110.315,107.614
  lines w0.2: 108.54,79.263 237.494,79.263 ; 108.54,116.297 237.494,116.297 ; 118.327,75.56 118.327,120 ; 128.689,75.56 128.689,120 ; 140.659,75.56 140.659,120 ; 149.265,75.56 149.265,120 ; 161.235,75.56 161.235,120 ; 180.959,75.56 180.959,120 ; 190.796,75.56 190.796,120 ; 208.501,75.56 208.501,120 ; 108.54,75.56 237.494,75.56 237.494,120 108.54,120 108.54,75.56
  text "Symbol" at 110.762,117.408 h2.4
  text "Count" at 119.438,117.408 h2.4
  text "Hole Size" at 129.8,117.408 h2.4
  text "Plated" at 141.77,117.408 h2.4
  text "Hole Type" at 150.376,117.408 h2.4
  text "Drill Layer Pair" at 162.346,117.408 h2.4
  text "Via/Pad" at 182.07,117.408 h2.4
  text "Pad Shape" at 191.907,117.408 h2.4
  text "Template" at 209.612,117.408 h2.4
  text "397" at 119.438,113.704 h2
  text "0.200mm" at 129.8,113.704 h2
  text "PTH" at 141.77,113.704 h2
  text "Round" at 150.376,113.704 h2
  text "Top - Bottom" at 162.346,113.704 h2
  text "Via" at 182.07,113.704 h2
  text "Rounded" at 191.907,113.704 h2
  text "(Mixed)" at 209.612,113.704 h2
  text "323" at 119.438,110.001 h2
  text "0.300mm" at 129.8,110.001 h2
  text "PTH" at 141.77,110.001 h2
  text "Round" at 150.376,110.001 h2
  text "Top - Bottom" at 162.346,110.001 h2
  text "(Mixed)" at 182.07,110.001 h2
  text "(Mixed)" at 191.907,110.001 h2
  text "(Mixed)" at 209.612,110.001 h2
  text "2" at 119.438,106.298 h2
  text "0.600mm" at 129.8,106.298 h2
  text "PTH" at 141.77,106.298 h2
  text "Slot" at 150.376,106.298 h2
  text "Top - Bottom" at 162.346,106.298 h2
  text "Pad" at 182.07,106.298 h2
  text "Rounded Rectangle" at 191.907,106.298 h2
  text "r180_100h60_140r25_503323056" at 209.612,106.298 h2
  text "2" at 119.438,102.594 h2
  text "0.600mm" at 129.8,102.594 h2
  text "PTH" at 141.77,102.594 h2
  text "Slot" at 150.376,102.594 h2
  text "Top - Bottom" at 162.346,102.594 h2
  text "Pad" at 182.07,102.594 h2
  text "Rounded Rectangle" at 191.907,102.594 h2
  text "r210_100h60_170r25_503323056" at 209.612,102.594 h2
  text "2" at 119.438,98.891 h2
  text "0.650mm" at 129.8,98.891 h2
  text "NPTH" at 141.77,98.891 h2
  text "Round" at 150.376,98.891 h2
  text "Top - Bottom" at 162.346,98.891 h2
  text "Pad" at 182.07,98.891 h2
  text "Rounded" at 191.907,98.891 h2
  text "c65hn65m65p0" at 209.612,98.891 h2
  text "5" at 119.438,95.188 h2
  text "0.900mm" at 129.8,95.188 h2
  text "NPTH" at 141.77,95.188 h2
  text "Round" at 150.376,95.188 h2
  text "Top - Bottom" at 162.346,95.188 h2
  text "Pad" at 182.07,95.188 h2
  text "Rounded" at 191.907,95.188 h2
  text "(Mixed)" at 209.612,95.188 h2
  text "104" at 119.438,91.484 h2
  text "1.000mm" at 129.8,91.484 h2
  text "PTH" at 141.77,91.484 h2
  text "Round" at 150.376,91.484 h2
  text "Top - Bottom" at 162.346,91.484 h2
  text "Pad" at 182.07,91.484 h2
  text "(Mixed)" at 191.907,91.484 h2
  text "(Mixed)" at 209.612,91.484 h2
  text "4" at 119.438,87.781 h2
  text "1.100mm" at 129.8,87.781 h2
  text "NPTH" at 141.77,87.781 h2
  text "Round" at 150.376,87.781 h2
  text "Top - Bottom" at 162.346,87.781 h2
  text "Pad" at 182.07,87.781 h2
  text "Rounded" at 191.907,87.781 h2
  text "c110hn110m110p0" at 209.612,87.781 h2
  text "4" at 119.438,84.078 h2
  text "1.600mm" at 129.8,84.078 h2
  text "NPTH" at 141.77,84.078 h2
  text "Round" at 150.376,84.078 h2
  text "Top - Bottom" at 162.346,84.078 h2
  text "Pad" at 182.07,84.078 h2
  text "Rounded" at 191.907,84.078 h2
  text "c160hn160m160p0" at 209.612,84.078 h2
  text "4" at 119.438,80.374 h2
  text "3.200mm" at 129.8,80.374 h2
  text "PTH" at 141.77,80.374 h2
  text "Round" at 150.376,80.374 h2
  text "Top - Bottom" at 162.346,80.374 h2
  text "Pad" at 182.07,80.374 h2
  text "Rounded" at 191.907,80.374 h2
  text "c640h320_503323056" at 209.612,80.374 h2
  text "847 Total" at 119.438,76.671 h2
  text "Slot definitions :" at 110.762,74.095 h2
  text "Routed Path Length" at 128.125,74.095 h2
  text "= Calculated from tool start centre position to tool end centre position." at 145.625,74.095 h2
  text "Hole Length" at 128.125,72.631 h2
  text "= Routed Path Length + Tool Size = Slot length as defined in the PCB layout" at 139.195,72.631 h2
  text "'.Layer_Name'" at 159.42,-47.081 h2.5
Bottom Assembly:
  lines w0.15: 5.08,78.74 cw(c5.715,78.74) 5.715,79.375 ccw(c5.715,80.01) 6.35,80.01 6.35,85.09 ccw(c5.715,85.09) 5.715,85.725 cw(c5.715,86.36) 5.08,86.36 5.08,88.595 5.084,89.23 5.085,90.805 cw(c8.89,90.81) 8.89,94.615 82.55,94.615 cw(c82.55,90.805) 86.36,90.805 86.36,22.225 86.36,20.95 ccw(c89.426,20.95) 87.258,18.782 88.006,18.034 cw(c85.846,15.875) 88.9,15.875 88.9,5.08 cw(c85.09,5.08) 85.09,1.27 74.295,1.27 cw(c74.295,4.336) 72.127,2.168 70.101,4.187 ccw(c67.945,2.031) 67.945,5.08 53.975,5.08 cw(c53.975,6.35) 52.705,6.35 ccw(c51.435,6.35) 51.435,7.62 47.83,7.62 ; 5.085,78.74 5.085,22.225 cw(c2.031,22.225) 4.191,20.066 2.168,18.043 ccw(c4.336,15.875) 1.27,15.875 1.27,5.08 ccw(c5.08,5.08) 5.08,1.27 15.875,1.27 ccw(c15.875,4.324) 18.034,2.164 20.057,4.187 cw(c22.225,2.019) 22.225,5.085 ccw(c22.23,5.085) 22.23,5.08 38.1,5.08 ccw(c38.1,6.35) 39.37,6.35 cw(c40.64,6.35) 40.64,7.62 44.17,7.62 ccw(c44.17,7.7) 44.25,7.7 44.25,12.1 cw(c44.45,12.1) 44.45,12.3 47.55,12.3 cw(c47.55,12.1) 47.75,12.1 47.75,7.7 ; 47.75,7.7 ccw(c47.83,7.7) 47.83,7.62 ; 47.75,7.7 ccw(c47.83,7.7) 47.83,7.62

## Dimensions
5.08,1.27 to 5.08,5.08 on Dimension
8.89,90.81 to 82.55,90.81 on Dimension
86.36,22.225 to 88.9,15.875 on Dimension
1.27,15.875 to 5.085,22.225 on Dimension
5.085,90.805 to 8.89,90.81 on Dimension
5.715,85.725 to 5.715,79.375 on Dimension
5.278,82.526 to 8.89,94.615 on Dimension
1.27,5.08 to 5.08,5.08 on Dimension
5.08,1.27 to 8.89,94.615 on Dimension
5.08,5.08 to 8.89,90.81 on Dimension
5.08,5.08 to 46,8.5 on Dimension
39.37,6.35 to 52.705,6.35 on Dimension
5.08,5.08 to 85.09,5.08 on Dimension
1.27,5.08 to 88.9,5.08 on Dimension

## Text inside footprints (layer, text, board x,y; h text height)
CN802: Board Layer Stack Bottom Overlay "3V3" at 80.076,58.6 h0.8; Board Layer Stack Bottom Overlay "GND" at 80.076,56.06 h0.8; Board Layer Stack Bottom Overlay "RXI" at 80.076,53.52 h0.8; Board Layer Stack Bottom Overlay "TXO" at 80.076,50.98 h0.8; Board Layer Stack Bottom Overlay "CTSI" at 80.076,48.44 h0.8; Board Layer Stack Bottom Overlay "RTSO" at 80.076,45.9 h0.8